# KiCad board FPGA_DevBoard.kicad_pcb (continued)
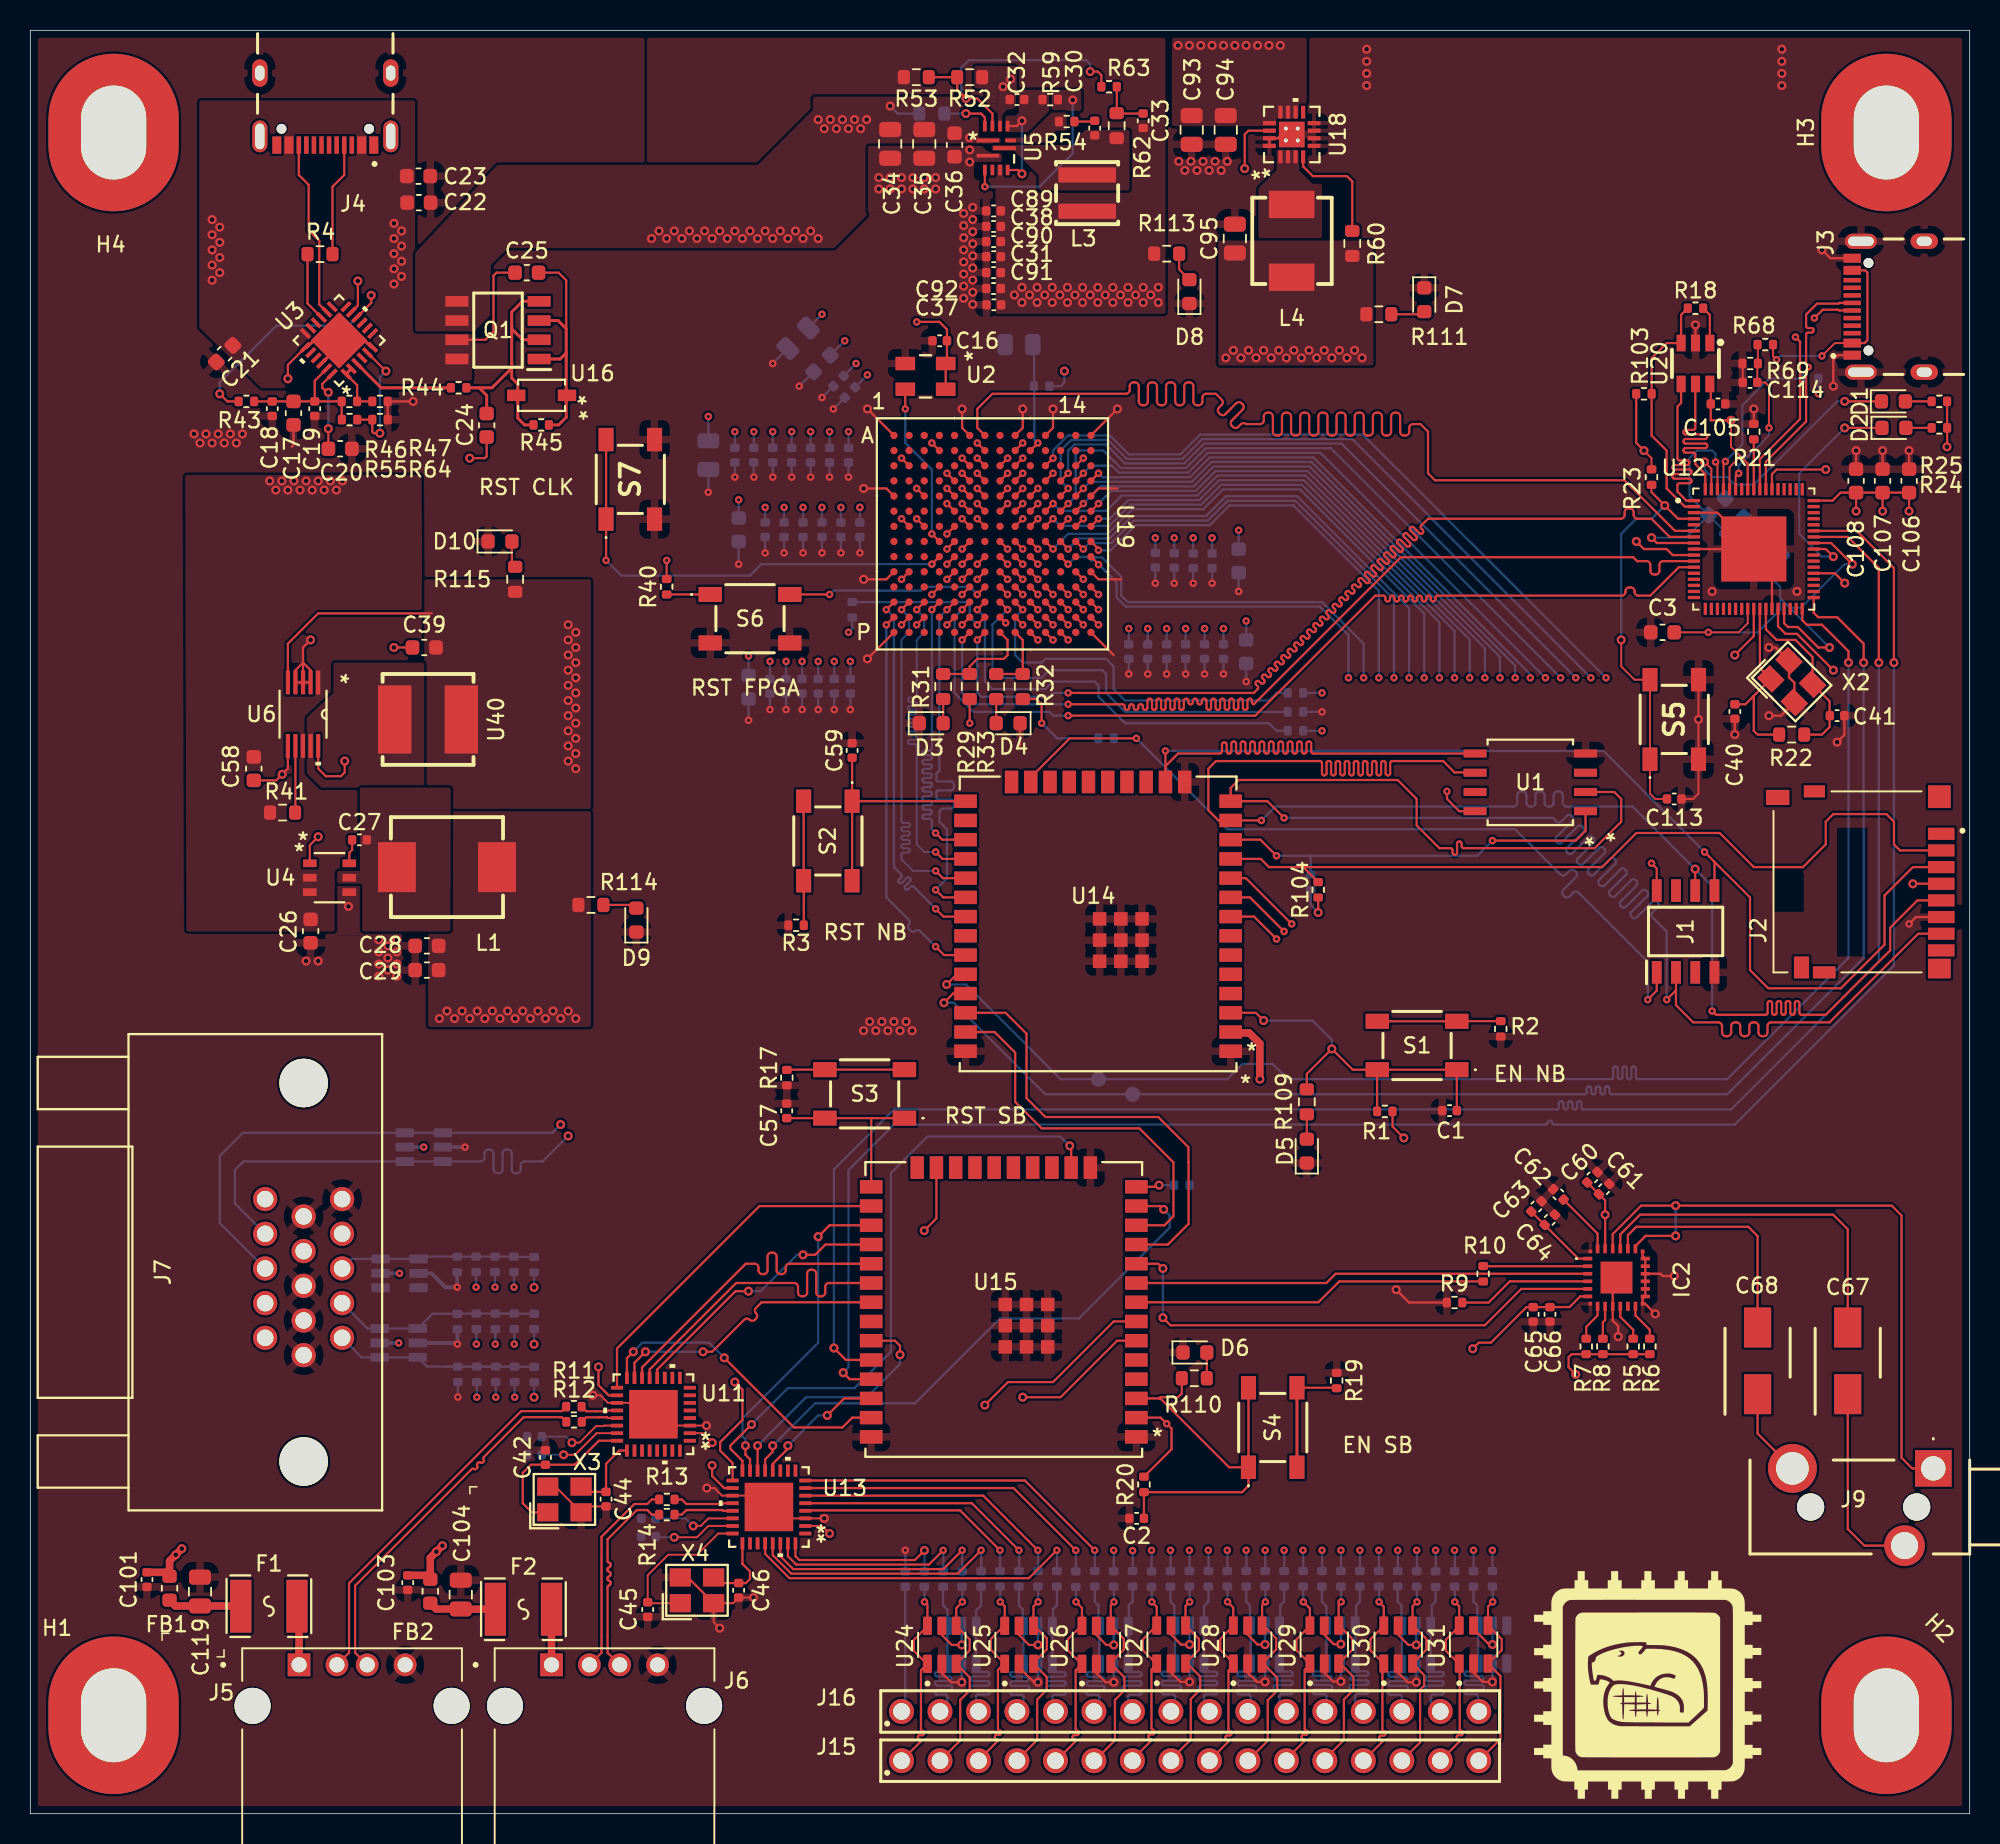
[diagram p0: board, top side]
## Routing (per net, layer and track width the routed paths; a pad name or vN(x,y) marks a point on that pad's centre or on a via; arc(x,y) is an arc through that point) (continued)
Net-(S4-COM_1): length 7.9
  Top signal w0.15: 86.24,28.12 S4.4
  Top signal w0.2: S4.4 83.6,22.87
Net-(S5-NO_1): length 27.5
  Top signal w0.13: v2(105,77.5) 105,75.75 105.88,74.88 S5.2 S5.1 106.9,67.35 107.25,67 C113.1 ; R23.1 107,87.25
  Top signal w0.15: U12.4 108.75,85.5 v2(107.88,86.38) 107,87.25
  Bottom signal w0.15: v2(107.88,86.38) 107,85.5 106,85.5 105,84.5 v2(105,77.5)
Net-(S6-NO_1): length 2.9
  Top signal w0.15: S6.1 R40.2
Net-(S6-NO_2): length 13.5
  Top signal w0.15: v1(52.75,80.5) S6.2 ; U19.L7 v1(62.5,80.5)
  Bottom signal w0.15: v1(52.75,80.5) 53,80.75 58.75,80.75 59,81 62,81 v1(62.5,80.5)
Net-(U3-CC1): length 4.6
  Top signal w0.15: 18.3,102.97 18.3,99.72 U3.15
Net-(U3-FLIP): length 16.7
  Top signal w0.15: U3.10 22.5,99.75 v2(22.5,100.25) ; v2(12.5,93.75) 13,93.25 R43.2
  Bottom signal w0.15: v2(22.5,100.25) 22.5,99.75 21,98.25 16.25,98.25 12.5,94.5 v2(12.5,93.75)
Net-(U3-VBUS_FET_EN): length 6.9
  Top signal w0.2: R44.2 23.16,94.15 U3.3
Net-(U3-VCCD): length 5.3
  Top signal w0.15: v2(19.67,93.85) 19.57,93.85 19.27,94.15 19.27,94.4 U3.24 ; v2(19.67,91.45) 19.67,90.25
  Bottom signal w0.15: v2(19.67,91.45) v2(19.67,93.85)
Net-(U4-BST): length 1.6
  Top signal w0.15: U4.6 21.05,63.45 21.24,63.64 C27.1
Net-(U5-EN): length 3.4
  Top signal w0.15: 63,111.42 63,112 62.75,112.25 v2(61.75,112.25)
  Bottom signal w0.15: R51.1 v2(61.75,112.25)
Net-(U5-FB): length 19.6
  Top signal w0.15: 63.5,111.42 63.5,112.25 62.5,113.25 v2(61.75,113.25) 61.17,113.83 R52.2 ; 61.22,114.66 R53.1 ; v2(69.95,115.03) 70.45,115.03 70.69,114.78 R63.1
  Bottom signal w0.15: v2(61.75,113.25) 61.45,113.55 61.45,115.28 61.95,115.78 69.7,115.78 69.95,115.53 v2(69.95,115.03)
Net-(U5-MODE): length 5.6
  Top signal w0.15: U5.6 65.2,108.53 v2(65.45,108.28) ; v2(65.45,111.78) 65.1,111.42 64.5,111.42
  Bottom signal w0.15: v2(65.45,111.78) v2(65.45,108.28)
Net-(U5-PG): length 11.3
  Top signal w0.15: v1(63,107.42) U5.3
  Bottom signal w0.15: v1(63,107.42) 66.6,107.42 68.8,109.62 v2(68.8,113.15)
Net-(U11-VBCOMP): length 5.6
  Top signal w0.13: U11.22 37.88,25.62 37.85,25.6 37.35,25.6 36.25,24.5 v2(35.75,24.5)
  Bottom signal w0.13: v2(35.75,24.5) 35.35,24.9 C115.1
Net-(U12-EECLK): length 14.5
  Top signal w0.15: U20.4 108.95,93.15 108.71,92.91 108.71,89.47 arc(108.75,89.38) 108.83,89.35 109.37,89.35 arc(109.45,89.31) 109.49,89.23 109.49,89.17 arc(109.45,89.08) 109.37,89.05 108.5,89.05 arc(108.42,89.01) 108.38,88.93 108.38,88.87 arc(108.42,88.78) 108.5,88.75 109.52,88.75 arc(109.6,88.71) 109.64,88.63 109.64,88.57 arc(109.6,88.48) 109.52,88.45 108.5,88.45 arc(108.42,88.41) 108.38,88.33 108.38,88.27 arc(108.42,88.18) 108.5,88.15 109.52,88.15 arc(109.6,88.11) 109.64,88.03 109.64,87.97 arc(109.6,87.88) 109.52,87.85 108.83,87.85 arc(108.75,87.81) 108.71,87.73 108.71,87.29 109.3,86.7 U12.1
Net-(U12-EECS): length 14.4
  Top signal w0.15: U12.68 110.55,88.45 109.89,89.11 109.89,89.75 arc(109.85,89.83) 109.77,89.87 109.23,89.87 arc(109.15,89.9) 109.11,89.99 109.11,90.05 arc(109.15,90.13) 109.23,90.17 110.55,90.17 arc(110.63,90.2) 110.67,90.29 110.67,90.35 arc(110.63,90.43) 110.55,90.47 109.23,90.47 arc(109.15,90.5) 109.11,90.59 109.11,90.65 arc(109.15,90.73) 109.23,90.77 110.55,90.77 arc(110.63,90.8) 110.67,90.89 110.67,90.95 arc(110.63,91.03) 110.55,91.07 109.23,91.07 arc(109.15,91.1) 109.11,91.19 109.11,91.25 arc(109.15,91.33) 109.23,91.37 109.77,91.37 arc(109.85,91.4) 109.89,91.49 109.89,94.39 U20.5
Net-(U12-EEDATA): length 16.2
  Top signal w0.15: R18.1 108.95,98.96 U20.3 108,97.1 107.01,96.11 R103.2 107.01,91.01 107,91 108,90 108,87.5 109.2,86.3 U12.2
Net-(U12-PD1_CC1): length 10.8
  Top signal w0.13: U12.65 111.75,89.16 v1(111.88,89.28)
  Bottom signal w0.13: R67.2 114.75,94.75 113,93 113,90.41 v1(111.88,89.28)
Net-(U12-REF): length 3.3
  Top signal w0.15: U12.60 R21.1
Net-(U13-VBCOMP): length 5.6
  Top signal w0.13: 46.25,19.5 U13.22 44.75,19.5 44.25,19 v2(43.75,19)
  Bottom signal w0.13: v2(43.75,19) 43.25,19.5 C118.1
Net-(U15-IO12): length 2.5
  Top signal w0.15: U15.14 74.39,41.39 v2(74.5,41.5)
  Bottom signal w0.15: R112.2 v2(74.5,41.5)
Net-(U15-IO32): length 23.5
  Top signal w0.15: U15.8 85.02,33.77 86.39,35.14 R10.2
Net-(U18-PG): length 7.6
  Top signal w0.15: R60.2 87.25,107.75 87.26,107.76 86.9,108.12 84.65,108.12 84.01,108.76 U18.4
Net-(U19B-CFGBVS_0): length 10
  Top signal w0.15: U19.N7 v1(62.5,78.5)
  Bottom signal w0.15: R39.1 61.75,80 62,79.75 62,79 v1(62.5,78.5)
Net-(U19B-DONE_0): length 4.7
  Top signal w0.15: U19.P9 65.5,77.5 R32.2 R33.1
Net-(U19B-INIT_B_0): length 6.8
  Top signal w0.15: R31.1 R29.2 62,75.75 62.5,76.25 64.25,76.25 64.5,76.5 64.5,77.5 U19.P8
Net-(U19B-IO_L3P_T0_DQS_PUDC_B_14): length 7.3
  Top signal w0.15: U19.B10 v1(66.5,90.5)
  Bottom signal w0.15: v1(66.5,90.5) 66.26,90.74 66.26,94.25 66.25,94.26 66.25,96.91 R66.1
Net-(U19B-M0_0): length 27.9
  Top signal w0.15: U19.M7 v1(62.5,79.5)
  Bottom signal w0.15: v1(62.5,79.5) 63,79 63,74.75 63.5,74.25 67,74.25 67.5,74.75 70.25,74.75 70.5,74.5 70.5,73.75 72.25,72 81.75,72 82.25,71.5 R38.1
Net-(U19B-M1_0): length 26.9
  Top signal w0.15: U19.M8 v1(64.5,79.5)
  Bottom signal w0.15: v1(64.5,79.5) 63.5,78.5 63.5,75.5 64,75 66.75,75 67.25,75.5 70.75,75.5 71,75.25 71,74 72.25,72.75 R37.1
Net-(U19B-M2_0): length 24.4
  Top signal w0.15: U19.M9 v1(65.5,79.5)
  Bottom signal w0.15: v1(65.5,79.5) 65,79 65,76.5 65.5,76 66.75,76 67,76.25 71,76.25 71.5,75.75 71.5,74.25 72.25,73.5 81.75,73.5 82.25,74 83,74
Net-(U20-DO): length 2.5
  Top signal w0.15: U20.1 110.85,98.96 R18.2

## Copper pours and planes (outline as drawn; the poured copper is in the pictures)
9V0 on Top signal: 75.35,117.67 75.35,111.42 82.25,111.42 82.25,111.92 84.25,111.92 84.25,117.67
9V0 on Top signal: 25.83,88.4 10.21,88.4 10.3,58.25 25.99,58.25
9V0 on Top signal: 64.05,110.27 64.05,110.67 62.6,110.67 62.6,113.37 51.65,113.37 51.65,112.5 48.03,108.87 30.83,108.87 25.4,103.05 25.4,97.87 29.31,97.87 30.4,98.96 30.4,102.25 31.53,103.37 53.06,103.37 55.25,105.56 55.25,110.19 61.9,110.19 61.9,110.27
9V0 on Top PWR: -23,85.5 26.5,85.5 31,89.25 31,103 91,103 91,127 -23,127
+1V0 on Top signal: 63.7,107.28 63.7,99.03 74.92,99.03 74.92,117.78 40.7,117.78 40.7,107.28
+1V0 on Top PWR: -2,76 71.5,76 71.5,72.5 128,72.5 128,122.5 -2,122.5
+1V0 on Bottom PWR: 59,80 67,80 67,99 75.5,99 75.5,103 59,103
+1V8 on Top signal: 26,66.35 37,66.35 37,81.5 26,81.5
+1V8 on Top PWR: -0.5,65.5 -0.5,79.5 44.2,79.5 49.6,84 55.9,84 55.9,94 85.2,94 85.2,75 47.52,75 38.36,66.64 38.36,65.5
+3V3 on Top signal: 88.65,103.87 78.4,103.87 78.4,95.62 88.65,95.62
+3V3 on Bottom PWR: 0,117.75 128,117.75 128,0 0,0
+5V on Top signal: 26.25,66.35 37,66.35 37,51.95 26.25,51.95
+5V on Top PWR: -0.5,-0.5 47.5,-0.5 47.5,65.5 -0.5,65.5
/Power/VBUS_IN on Top signal: 11.15,113.12 25.4,113.12 25.4,97.87 29.15,97.87 29.15,94.12 15.25,94.12 11.15,98.12
/Power/VBUS_IN on Bottom PWR: 11.25,108.75 25.5,108.75 25.5,94.75 11.25,94.75
GND on Top signal: 21.75,61.25 20.25,61.25 20.25,58 21.75,58
GND on Top signal: 63.85,111.03 64.15,111.03 64.15,112.17 64.5,112.53 64.84,112.53 65.1,112.79 65.1,115.41 63.85,115.41
GND on Top signal: 64.05,112.91 64.05,115.41 62.3,115.41 62.3,113.91 63.05,113.91 63.05,112.91
GND on Top signal: 138.5,127.5 -9.5,125.5 -10.25,-15.5 137,-12.75
GND on Top signal: 63.18,109.75 64.13,109.75 64.13,109.05 62.28,109.05 62.28,108.05 62.53,107.8 62.68,107.8 62.68,105.7 55.28,105.7 55.28,110.12 62.81,110.12
GND on Bottom signal: 143,128.5 -7.25,127.75 -8.25,-13.25 141.75,-11.75
GND on Top GND: -21,127.5 138.38,127.5 138.38,-0.5 -21,-0.5
GND on Bottom GND: 102.06,131.39 -26.84,132.53 -33.32,-4.12 140.71,-3.65 135.68,140.7 103.08,131.39 102.95,131.9
Net-(L4-Pad2) on Top signal: 83.75,109.92 82.25,109.92 82.25,108.52 81.05,107.32 81.05,103.72 85.25,103.72 85.25,107.62 84.62,107.62 83.75,108.5
Net-(U4-SW) on Top signal: 20.25,62.25 20.25,61.25 21.75,61.25 21.75,58.25 27.73,58.25 27.75,67.75 21.75,67.75 21.75,62.25
Net-(U5-BST) on Top signal: 64.3,110.67 64.3,110.33 67,110.33 67,110.45 67.67,111.12 68.4,111.12 68.4,112.33 67.4,112.33 65.7,110.67
Net-(U5-MODE) on Top signal: 64.35,111.03 65.85,111.03 67.25,112.42 67.25,113.83 65.22,113.83 65.22,112.33 65.03,112.12 64.35,112.12
Net-(U5-PG) on Top signal: 67.4,113.83 67.4,112.42 69.38,112.42 69.38,113.83
Net-(U5-SW) on Top signal: 63.45,110.17 63.45,109.78 64.95,109.78 66.55,108.17 66.55,107.17 72.55,107.17 72.55,111.17 69.62,111.17 68.95,110.5 68.95,110.26 68.87,110.17
Net-(U6-SW) on Top signal: 18.25,68.69 19.19,67.75 26,67.75 26,76 20,76 20,74 18.25,72.38

## Text on the board
B.Silkscreen: Donovan Burk / Damian Amerman-Smith / Joseph Yost / Maxwell Voss | {dblquote}No Copyright Law in the / Universe / is going to stop me.{dblquote} / - Sonic the Hedgehog | ECE 44X TEAM 9 2025-2026 / Instructor: Ingrid Scheel | {dblquote}This is what infinite budget looks like{dblquote} - Zander | {dblquote}Our rocks can do really cool math{dblquote}
F.Silkscreen: RST CLK | RST FPGA | RST NB | RST SB | EN SB | EN NB | * | U19
